# Altium PCB radxa_cm3s_io_board_V1510.PcbDoc (part 4 of 4)
Units mil, origin at the board's own origin, x right, y up, seen from the top; angles counter-clockwise.
Board outline 6299.61 x 3544.09 mil, 4 copper layers (Top, GND, Power, Bottom), stack 35.4 mil thick; 371 components, 243 nets, 1310 pads, 2024 vias.
Unrouted connection lines stored in the file: 1349.
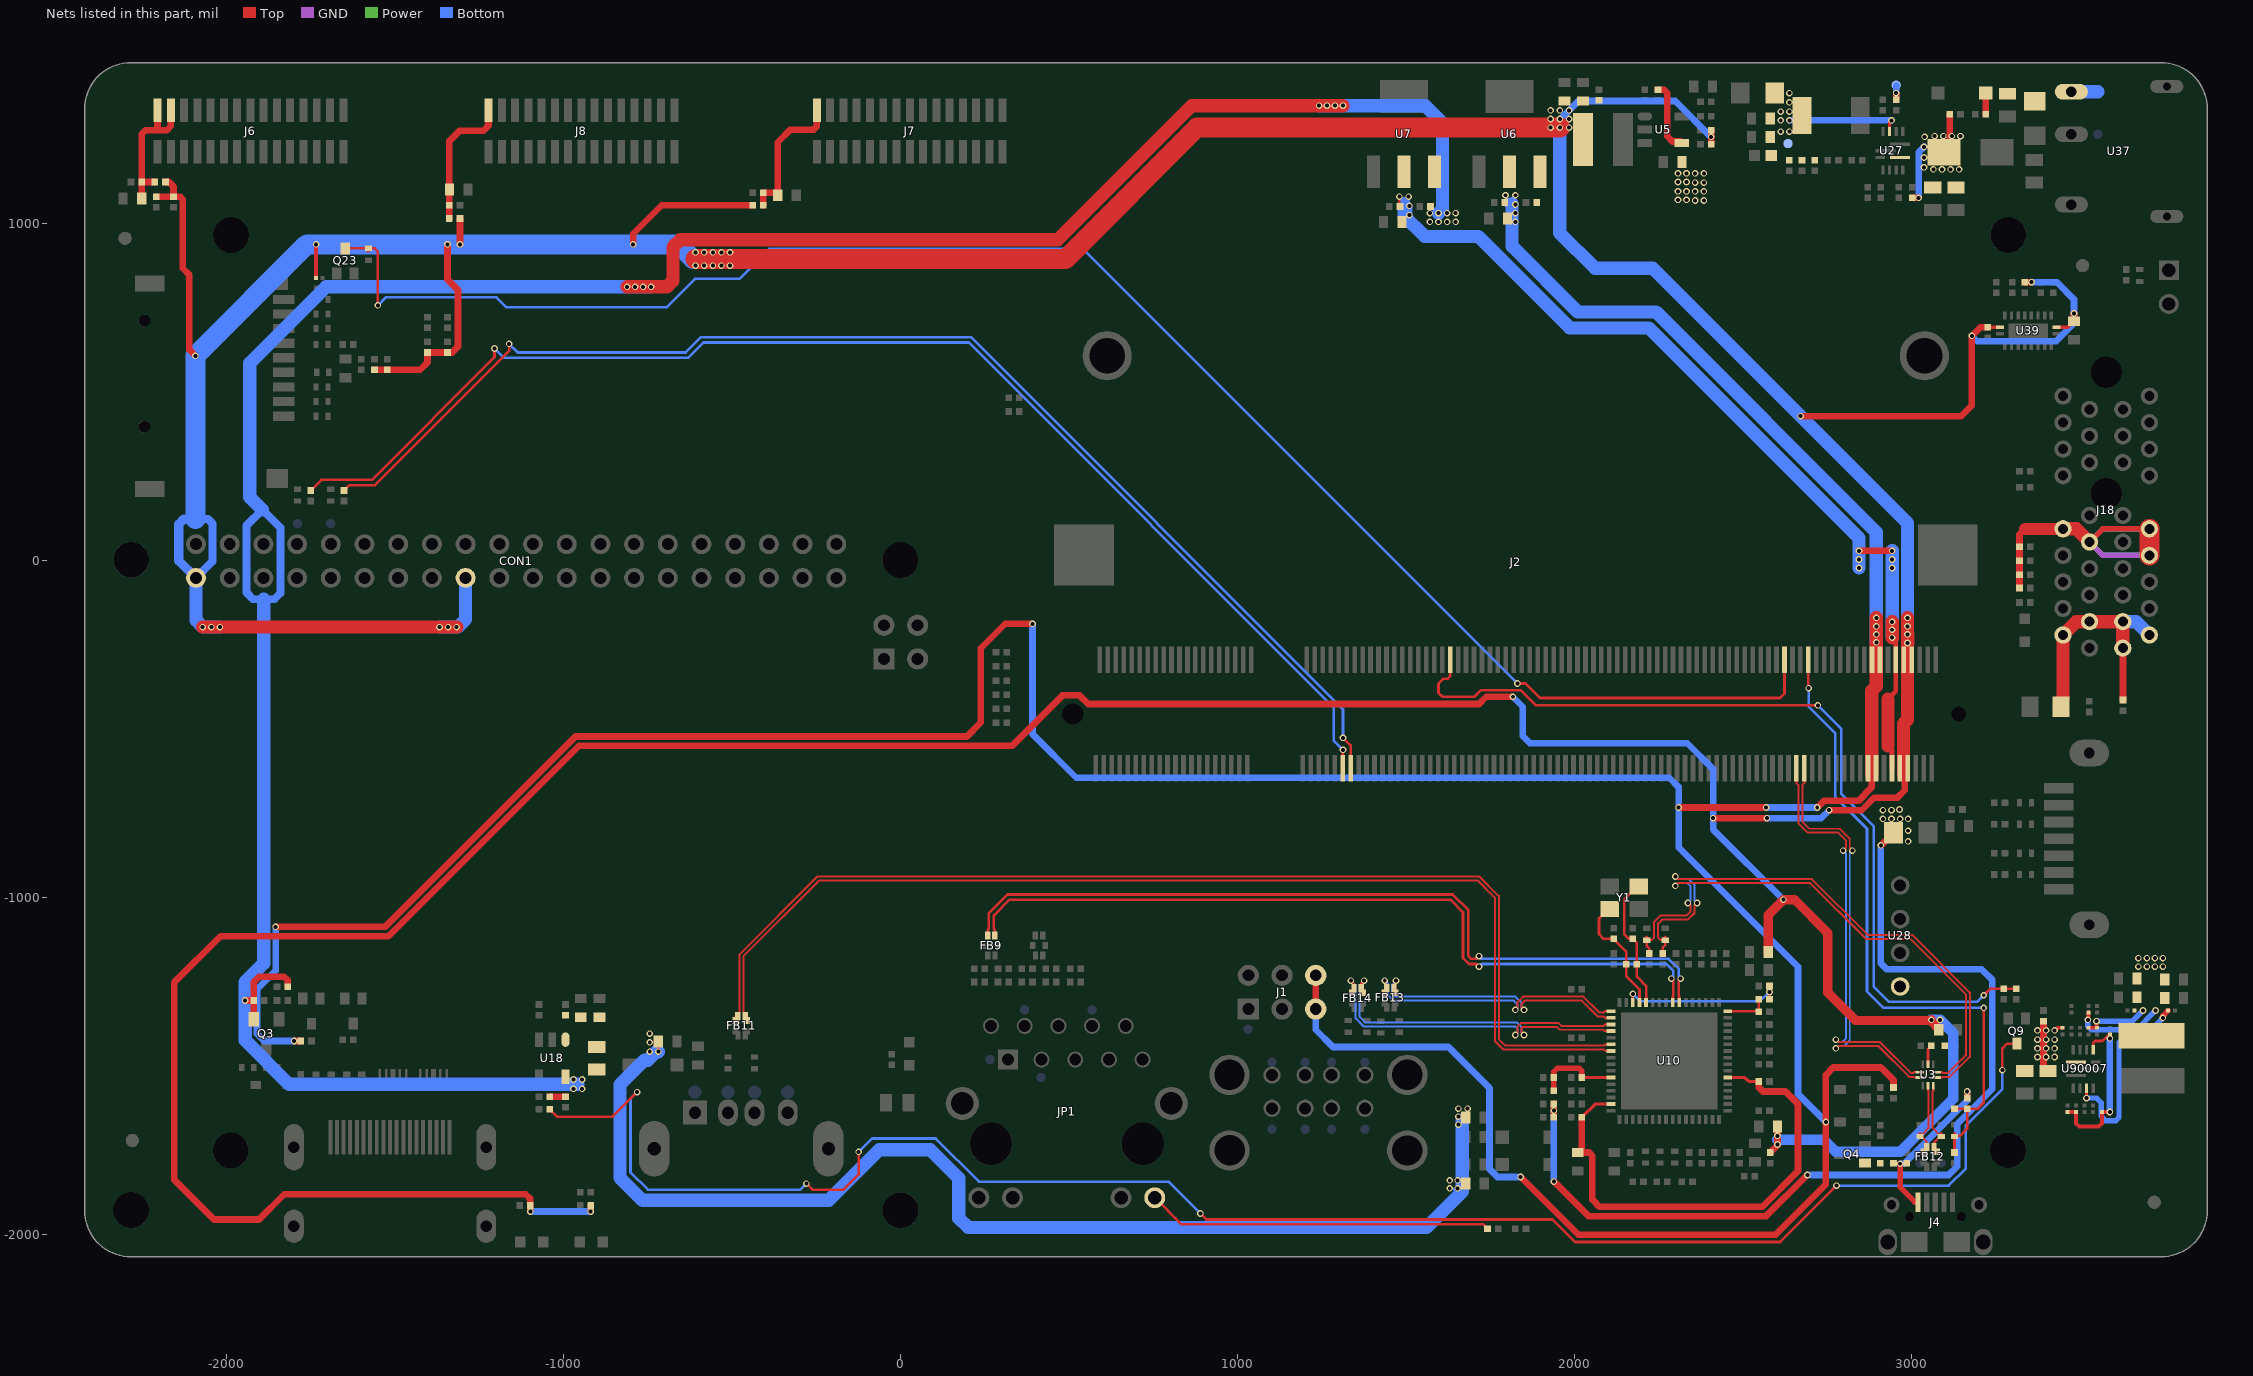
[diagram p6: the nets of this part, all layers, seen from the top]

## Via types
v1: diameter 19.68, hole 11.81, Top to Bottom, 2024 vias

## Nets (pads, with @x,y where several pads share a name; then routed paths per layer and width w, separated by ;. In a path a pad name is that pad's centre, name@x,y a point inside that pad or via, vN(x,y) a via of type N, cw(c..) or ccw(c..) an arc to the next point about the centre after c; other vN are vias at no path point) (continued)
SYS_5V: C22.1 C31.1 C68.1 C91.1 C135.1 C136.1 C137.1 C138.1 C139.1 ED12.1 FB8.2 L12.2 Q3.2 R12.1 R15.1 R16.2 R35.1 R113.1 R148.2 R159.1 TP13.1 U5.4 U7.3 U18.5 U27.5 | length 11609.2
  Top w9.84: U27.5@2935.04,1271.66 2935.04,1299.22 v1(2940.94,1305.12)
  Top w19.68: v1(-1944.88,-1307.09) R15.1@-1919.29,-1307.09 ; Q3.2@-1919.29,-1362.2 R15.1@-1919.29,-1307.09 ; R16.2@-1818.9,-1265.75 -1818.9,-1246.06 -1828.74,-1236.22 -1903.54,-1236.22 -1919.29,-1251.97 R15.1@-1919.29,-1307.09 ; R113.1@-1041.34,-1592.52 C91.1@-994.09,-1592.52 ; v1(1938.98,-1844.49) 2041.34,-1946.85 2568.9,-1946.85 v1(2690.94,-1824.8) ; C68.1@1938.98,-1653.54 v1(1938.98,-1633.86) FB8.2@1938.98,-1614.17 ; R35.1@2248.03,1395.67 2265.75,1395.67 2275.59,1385.83 2275.59,1257.87 2291.34,1242.13 2314.96,1242.13 U5.4@2318.9,1238.19 ; v1(2909.45,-846.46) R12.1@2946.85,-809.06
  Top w39.37: v1(-811.02,811.02) -692.91,811.02 -675.2,828.74 -675.2,929.13 -653.54,950.79 466.54,950.79 864.17,1348.43 v1(1242.13,1348.43) v1(1265.75,1348.43) v1(1289.37,1348.43) v1(1312.99,1348.43)
  Bottom w7.87: -956.69,-1555.12 v1(-944.88,-1568.9)
  Bottom w19.68: v1(1938.98,-1844.49) v1(1938.98,-1633.86) ; v1(2637.8,1305.12) v1(2940.94,1305.12) ; v1(2690.94,-1824.8) 3110.24,-1824.8 3135.83,-1799.21 3135.83,-1673.23 3240.16,-1568.9 3240.16,-1246.06 3208.66,-1214.57 2927.17,-1214.57 2909.45,-1196.85 v1(2909.45,-846.46)
  Bottom w23.62: -1940.94,-96.46 -1921.26,-116.14 -1889.76,-116.14 -1858.27,-116.14 -1840.55,-98.43 -1840.55,96.46 -1893.7,149.61 -1940.94,102.36 -1940.94,-96.46
  Bottom w39.37: -1893.7,149.61 -1931.1,187.01 -1931.1,584.65 -1704.72,811.02 v1(-811.02,811.02) v1(-787.4,811.02) v1(-763.78,811.02) v1(-740.16,811.02) ; -1889.76,-116.14 -1889.76,-1196.85 -1944.88,-1251.97 v1(-1944.88,-1307.09) -1944.88,-1425.2 -1814.96,-1555.12 -956.69,-1555.12 ; v1(1242.13,1348.43) v1(1265.75,1348.43) v1(1289.37,1348.43) v1(1312.99,1348.43) 1557.09,1348.43 1608.27,1297.24 1608.27,1041.34 v1(1596.46,1029.53)
  other v1: -970.47,-1568.9 -970.47,-1541.34 -944.88,-1541.34 2990.16,-834.65 2990.16,-803.15 2915.35,-767.72 2940.94,-767.72 2966.54,-767.72 2990.16,-767.72 2915.35,-742.13 2940.94,-742.13 2964.57,-740.16 1570.87,1003.94 1596.46,1003.94 1622.05,1003.94 1647.64,1003.94 1570.87,1029.53 1622.05,1029.53 1647.64,1029.53 2358.27,1066.93 2383.86,1066.93 2307.09,1068.9 2332.68,1068.9 2307.09,1094.49 2332.68,1094.49 2358.27,1094.49 2383.86,1094.49 2358.27,1120.08 2383.86,1120.08 2307.09,1122.05 2332.68,1122.05 2307.09,1147.64 2332.68,1147.64 2358.27,1147.64 2383.86,1147.64 2612.2,1271.65 2637.8,1271.65 2612.2,1305.12 2612.2,1330.71 2637.8,1330.71 2637.8,1358.27 2637.8,1385.83
TF_DET_H: D52.2 J2.162 Q23.3 | length 5186.3
  Top w7.87: Q23.3@-1647.64,925.2 D52.2@-1578.74,925.2 -1561.02,925.2 -1551.18,915.35 v1(-1551.18,755.91) ; v1(1830.71,-366.14) 1854.33,-366.14 1897.64,-409.45 2609.45,-409.45 2623.23,-395.67 J2.162@2623.23,-295.28
  Bottom w7.87: v1(-1551.18,755.91) -1527.56,779.53 -1198.82,779.53 -1169.29,750 -694.88,750 -610.24,834.65 -478.35,834.65 -389.76,923.23 541.34,923.23 v1(1830.71,-366.14)
TXN: FB9.4 U10.56 | length 2369.4
  Top w7.87: FB9.4@280.12,-1114.57 280.12,-1097.44 277.17,-1094.49 277.17,-1054.84 324.13,-1007.87 1631.89,-1007.87 1669.29,-1045.28 1669.29,-1181.1 1687.01,-1198.82 1708.66,-1198.82 v1(1716.54,-1206.69) ; v1(2287.4,-1242.13) 2293.31,-1248.03 2293.31,-1293.3 2291.34,-1295.28 U10.56@2291.34,-1312.7
  Bottom w7.87: v1(1716.54,-1206.69) 1724.41,-1198.82 2273,-1198.82 2293.31,-1219.12 2293.31,-1236.22 v1(2287.4,-1242.13)
TXP: FB9.1 U10.55 | length 2421.6
  Top w7.87: FB9.1@258.46,-1114.57 258.46,-1097.44 261.42,-1094.49 261.42,-1048.31 317.6,-992.13 1638.41,-992.13 1685.04,-1038.75 1685.04,-1174.58 1693.53,-1183.07 1708.66,-1183.07 v1(1716.54,-1175.2) ; U10.55@2311.03,-1312.7 2311.03,-1295.28 2309.06,-1293.3 2309.06,-1248.03 v1(2314.96,-1242.13)
  Bottom w7.87: v1(1716.54,-1175.2) 1724.41,-1183.07 2279.53,-1183.07 2309.06,-1212.6 2309.06,-1236.22 v1(2314.96,-1242.13)
UART2_RX: J2.53 R42.2 | length 3828.9
  Top w7.87: R42.2@-1651.57,206.69 -1635.83,222.44 -1559.06,222.44 -1161.42,620.08 v1(-1161.42,641.73) ; v1(1312.99,-527.56) 1335.83,-550.39 1335.83,-553.15 J2.53@1335.83,-618.11
  Bottom w7.87: v1(-1161.42,641.73) -1135.83,616.14 -637.8,616.14 -592.52,661.42 208.66,661.42 1312.99,-442.91 v1(1312.99,-527.56)
UART2_TX: J2.51 R41.2 | length 3896.4
  Top w7.87: R41.2@-1750,206.69 -1718.5,238.19 -1568.9,238.19 -1204.72,602.36 v1(-1204.72,627.95) ; J2.51@1312.2,-618.11 1312.2,-563.78 v1(1312.99,-562.99)
  Bottom w7.87: v1(-1204.72,627.95) -1177.17,600.39 -629.92,600.39 -584.65,645.67 202.76,645.67 1285.43,-437.01 1285.43,-535.43 v1(1312.99,-562.99)
USB2.0_HUB_PWR: J2.78 R107.2 R108.1 | length 2639.6
  Top w7.87: J2.78@1631.1,-295.28 1631.1,-344.49 1623.23,-352.36 1610.24,-352.36 1596.46,-366.14 1596.46,-393.7 1608.27,-405.51 1702.76,-405.51 1722.44,-385.83 1840.55,-385.83 1885.83,-431.1 v1(2722.44,-431.1) ; v1(3214.57,-1291.34) 3234.25,-1271.65 R108.1@3273.62,-1271.65 R107.2@3311.02,-1271.65
  Bottom w7.87: v1(2722.44,-431.1) 2791.34,-500 2791.34,-692.91 2887.8,-789.37 2887.8,-1265.75 2933.07,-1311.02 3194.88,-1311.02 v1(3214.57,-1291.34)
USB_HOST2_DM: FB13.3 R66.2 U10.1 | length 833.1
  Top w5.91: v1(1824.8,-1334.65) 1831.69,-1327.76 1831.69,-1311.02 1847.44,-1295.28 2026.55,-1295.28 2073.79,-1342.52 2086.61,-1342.52 2090.55,-1338.58 U10.1@2107.98,-1338.58
  Top w7.87: R66.2@1437.01,-1283.46 1437.01,-1275.59 FB13.3@1442.91,-1269.68 1442.91,-1266.74 1439.96,-1263.78 1439.96,-1250.98 v1(1437.01,-1248.03)
  Bottom w5.91: v1(1437.01,-1248.03) 1446.85,-1257.87 1446.85,-1291.34 1462.6,-1307.09 1819.91,-1307.09 1831.69,-1318.87 1831.69,-1327.76 v1(1824.8,-1334.65)
USB_HOST2_DP: FB13.2 R71.2 U10.2 | length 814.4
  Top w5.91: v1(1850.39,-1334.65) 1843.5,-1327.76 1843.5,-1315.92 1852.33,-1307.09 2021.65,-1307.09 2068.9,-1354.33 2086.61,-1354.33 2090.55,-1358.27 U10.2@2107.98,-1358.27
  Top w7.87: R71.2@1468.5,-1283.46 1468.5,-1274.58 1463.83,-1269.91 1464.34,-1269.91 FB13.2@1464.57,-1269.68 1467.52,-1266.73 1467.52,-1250.98 v1(1470.47,-1248.03)
  Bottom w5.91: v1(1470.47,-1248.03) 1458.66,-1259.84 1458.66,-1286.45 1467.49,-1295.28 1824.8,-1295.28 1843.5,-1313.98 1843.5,-1327.76 v1(1850.39,-1334.65)
USB_HOST3_DM: FB14.1 R67.2 U10.3 | length 1003
  Top w5.91: v1(1336.61,-1248.03) 1345.47,-1256.89 FB14.1@1345.47,-1272.63 ; v1(1824.8,-1409.45) 1831.69,-1402.56 1831.69,-1383.86 1841.54,-1374.02 1953.23,-1374.02 1961.11,-1381.89 2086.61,-1381.89 2090.55,-1377.95 U10.3@2107.98,-1377.95
  Top w7.87: FB14.1@1345.47,-1272.63 1340.55,-1277.55 R67.2@1340.55,-1283.46 1340.55,-1275.98 FB14.1@1346.06,-1270.47
  Bottom w5.91: v1(1336.61,-1248.03) 1350.39,-1261.81 1350.39,-1360.24 1374.02,-1383.86 1823.85,-1383.86 1831.69,-1391.7 1831.69,-1402.56 v1(1824.8,-1409.45)
USB_HOST3_DP: FB14.4 R68.2 U10.4 | length 979
  Top w5.91: FB14.4@1367.13,-1270.81 FB14.4@1367.13,-1259.84 ; v1(1850.39,-1409.45) 1843.5,-1402.56 1843.5,-1388.75 1846.43,-1385.83 1948.34,-1385.83 1956.22,-1393.7 2086.61,-1393.7 2090.55,-1397.64 U10.4@2107.98,-1397.64
  Top w7.87: FB14.4@1367.13,-1270.81 1372.05,-1275.72 R68.2@1372.05,-1283.46 ; FB14.4@1367.72,-1270.47 1367.72,-1260.43 1367.13,-1259.84 1367.13,-1256.89 v1(1375.98,-1248.03)
  Bottom w5.91: v1(1375.98,-1248.03) 1362.2,-1261.81 1362.2,-1309.53 1362.2,-1355.34 1378.91,-1372.05 1828.74,-1372.05 1843.5,-1386.81 1843.5,-1402.56 v1(1850.39,-1409.45)
USB_HOST4_DM: FB11.1 R160.1 U10.6 | length 3343.6
  Top w5.91: FB11.1@-482.28,-1352.36 -482.28,-1346.46 -478.35,-1342.52 -478.35,-1170.78 -246.54,-938.98 1717.49,-938.98 1775.59,-997.08 1775.59,-1422.27 1794.26,-1440.95 2088,-1440.95 2091.93,-1437.01 U10.6@2107.98,-1437.01
  Top w7.87: R160.1@-488.19,-1366.14 -488.19,-1353.15 FB11.1@-482.68,-1353.15 -482.68,-1352.76 FB11.1@-482.28,-1352.36
USB_HOST4_DP: FB11.4 R161.1 U10.7 | length 3322.1
  Top w5.91: FB11.4@-461.42,-1352.76 -462.6,-1351.57 -462.6,-1350.39 -462.6,-1347.95 -460.63,-1345.98 -466.06,-1340.55 -466.06,-1314.96 -466.06,-1175.2 -241.65,-950.79 1712.6,-950.79 1763.78,-1001.97 1763.78,-1427.17 1789.37,-1452.76 2088,-1452.76 2091.93,-1456.69 U10.7@2107.98,-1456.69
  Top w7.87: FB11.4@-461.42,-1352.76 FB11.4@-461.02,-1353.15 -456.69,-1357.48 R161.1@-456.69,-1366.14
USB_HSD1_DM: D3.2 FB12.3 R18.2 U3.4 | length 222.8
  Top w5.91: D3.2@3025.59,-1710.63 D3.2@3031.5,-1704.72 ; FB12.3@3045.28,-1742.13 3045.28,-1726.38 3031.5,-1712.6 D3.2@3031.5,-1704.72 ; U3.4@3049.21,-1559.36 3049.21,-1574.8 3051.18,-1576.77 3051.18,-1685.04 D3.2@3031.5,-1704.72
  Top w7.87: R18.2@3037.4,-1755.91 3037.4,-1750 FB12.3@3045.28,-1742.13
USB_HSD1_DP: D2.2 FB12.2 R19.2 U3.5 | length 223.7
  Top w5.91: U3.5@3065.01,-1559.36 U3.5@3065.01,-1559.36 3064.96,-1574.8 3062.99,-1576.77 3062.99,-1685.04 D2.2@3082.68,-1704.72 ; FB12.2@3066.93,-1742.13 3066.93,-1728.35 3082.68,-1712.6 D2.2@3082.68,-1704.72 ; D2.2@3088.58,-1710.63 D2.2@3082.68,-1704.72
  Top w7.87: FB12.2@3066.93,-1742.13 3074.8,-1750 R19.2@3074.8,-1755.91
USB_HSD2_DM: ED19.1 R63.1 U3.6 | length 1719.8
  Top w5.91: ED19.1@2269.69,-1127.95 2255.91,-1127.95 2248.03,-1120.08 2248.03,-1078.74 2259.84,-1066.93 2336.61,-1066.93 2356.3,-1047.24 2356.3,-1025.59 v1(2364.17,-1017.72) ; v1(2299.21,-938.98) 2307.09,-946.85 2704.72,-946.85 2870.08,-1112.2 3001.97,-1112.2 3173.23,-1283.46 3173.23,-1474.41 3114.17,-1533.46 3092.55,-1533.46 3090.55,-1535.46 U3.6@3074.01,-1535.46
  Top w7.87: R63.1@2261.81,-1167.32 2261.81,-1149.61 2269.69,-1141.73 ED19.1@2269.69,-1127.95
  Bottom w5.91: v1(2299.21,-938.98) 2307.09,-946.85 2339.54,-946.85 2356.3,-963.61 2356.3,-1009.84 v1(2364.17,-1017.72)
USB_HSD2_DP: ED20.1 R61.1 U3.7 | length 1661.1
  Top w5.91: ED20.1@2214.57,-1127.95 2228.35,-1127.95 2236.22,-1120.08 2236.22,-1073.85 2254.95,-1055.12 2331.72,-1055.12 2344.49,-1042.35 2344.49,-1025.59 v1(2336.61,-1017.72) ; v1(2299.21,-966.54) 2307.09,-958.66 2699.83,-958.66 2865.19,-1124.02 2997.08,-1124.02 3161.42,-1288.36 3161.42,-1469.52 3109.28,-1521.65 3092.55,-1521.65 3090.55,-1519.66 U3.7@3074.01,-1519.66
  Top w7.87: ED20.1@2214.57,-1127.95 2214.57,-1145.67 2222.44,-1153.54 R61.1@2222.44,-1167.32
  Bottom w5.91: v1(2299.21,-966.54) 2307.09,-958.66 2334.65,-958.66 2344.49,-968.5 2344.49,-1009.84 v1(2336.61,-1017.72)
USB_OTG0_DM: J2.167 U3.2 | length 1268.8
  Top w5.91: J2.167@2682.28,-618.11 2682.28,-661.42 2676.38,-667.32 2676.38,-776.6 2697.02,-797.24 2787.4,-797.24 2816.93,-826.77 2816.93,-854.33 v1(2824.8,-862.2) ; v1(2775.59,-1448.82) 2782.48,-1441.93 2901.6,-1441.93 2993.14,-1533.46 3005.88,-1533.46 3007.87,-1535.46 U3.2@3024.41,-1535.46
  Bottom w5.91: v1(2775.59,-1448.82) 2782.48,-1441.93 2800.2,-1441.93 2816.93,-1425.2 2816.93,-870.08 v1(2824.8,-862.2)
USB_OTG0_DP: J2.165 U3.1 | length 1249.2
  Top w5.91: J2.165@2658.66,-618.11 2658.66,-661.42 2664.57,-667.32 2664.57,-781.5 2692.13,-809.06 2782.51,-809.06 2805.12,-831.66 2805.12,-854.33 v1(2797.24,-862.2) ; v1(2775.59,-1423.23) 2782.48,-1430.12 2906.5,-1430.12 2998.03,-1521.65 3005.88,-1521.65 3007.87,-1519.66 U3.1@3024.41,-1519.66
  Bottom w5.91: v1(2775.59,-1423.23) 2782.48,-1430.12 2795.3,-1430.12 2805.12,-1420.3 2805.12,-870.08 v1(2797.24,-862.2)
USB_OTG0_ID: D54.2 J2.168 R20.2 R22.1 R24.1 | length 1953.3
  Top w7.87: J2.168@2694.09,-295.28 2694.09,-379.13 v1(2694.88,-379.92) ; R20.2@3127.95,-1757.87 D54.2@3127.95,-1710.63 3127.95,-1708.66 3143.7,-1708.66 3165.35,-1687.01 R22.1@3165.35,-1627.95 ; R24.1@3127.95,-1627.95 R22.1@3165.35,-1627.95 ; v1(3214.57,-1328.74) 3214.57,-1610.24 3196.85,-1627.95 R22.1@3165.35,-1627.95
  Bottom w7.87: v1(2694.88,-379.92) 2694.88,-435.04 2773.62,-513.78 2773.62,-702.76 2868.11,-797.24 2868.11,-1279.53 2917.32,-1328.74 v1(3214.57,-1328.74)
USB_PWR_EN: Q9.3 R114.2 | length 5313.7
  Top w7.87: R114.2@-1041.34,-1629.92 -1019.68,-1651.57 -854.33,-1651.57 v1(-781.5,-1578.74) ; v1(-279.53,-1850.39) -261.81,-1868.11 -169.29,-1868.11 -124.02,-1822.83 v1(-124.02,-1755.91) ; v1(889.76,-1938.98) 907.48,-1956.69 1935.04,-1956.69 2001.97,-2023.62 2610.24,-2023.62 v1(2777.56,-1856.3) ; v1(3269.69,-1513.78) 3269.69,-1448.82 3283.47,-1435.04 Q9.3@3312.99,-1435.04
  Bottom w7.87: v1(-781.5,-1578.74) -801.18,-1598.43 -801.18,-1816.93 -750,-1868.11 -297.24,-1868.11 v1(-279.53,-1850.39) ; v1(-124.02,-1755.91) -84.65,-1716.54 104.33,-1716.54 232.28,-1844.49 795.28,-1844.49 v1(889.76,-1938.98) ; v1(2777.56,-1856.3) 3110.24,-1856.3 3161.42,-1805.12 3161.42,-1677.17 3269.69,-1568.9 v1(3269.69,-1513.78)
VBUS: C10.1 J4.1 Q4.1 R22.2 R23.1 R45.2 | length 465.5
  Top w15.75: v1(2966.54,-1791.34) 2966.54,-1860.24 3009.5,-1903.2 3009.5,-1905.17 3009.84,-1905.51 J4.1@3019.69,-1905.51
  Top w19.68: R22.2@3165.35,-1596.46 v1(3165.35,-1576.77)
  Bottom w19.68: v1(2966.54,-1791.34) 2978.35,-1791.34 3165.35,-1604.33 v1(3165.35,-1576.77)
VBUS_DET: C72.1 R73.2 R75.1 U10.11 | length 253.1
  Top w9.84: C72.1@2021.65,-1535.43 U10.11@2107.98,-1535.43
  Top w15.75: R73.2@1938.98,-1574.8 R75.1@1938.98,-1535.43 1938.98,-1517.72 1948.82,-1507.87 2013.78,-1507.87 2021.65,-1515.75 C72.1@2021.65,-1535.43
VCC: C90354.1 R90625.1 R90627.1 R90628.1 U90007.9 | length 510.9
  Top w7.87: U90007.9@3539.37,-1452.75 3539.37,-1433.07 3545.28,-1427.17 3566.93,-1427.17 3586.61,-1407.48 C90354.1@3588.58,-1407.48
  Top w11.81: R90625.1@3462.6,-1637.8 R90628.1@3488.19,-1637.8 3488.19,-1671.26 3498.03,-1681.1 3555.12,-1681.1 3564.96,-1671.26 R90627.1@3564.96,-1637.8 v1(3588.58,-1637.8) ; v1(3588.58,-1419.29) C90354.1@3588.58,-1407.48
  Bottom w19.68: v1(3588.58,-1637.8) v1(3588.58,-1419.29)
VCC3V3_PCIE: C90347.1 C90350.1 C90351.1 C90352.1 C90353.1 C90358.1 C90359.1 C90360.1 J18.A9 J18.A10 J18.B8 J18.B10 L8705.2 R168.2 R169.2 R170.2 R171.1 R90621.2 U90007.5 | length 2884.8
  Top w9.84: v1(3519.69,-1596.46) U90007.5@3519.68,-1566.93
  Top w11.81: v1(3523.62,-1364.17) 3525.59,-1364.17 C90347.1@3525.59,-1342.52 ; R90621.2@3525.59,-1387.8 C90350.1@3551.18,-1387.8 3549.21,-1387.8 v1(3549.21,-1368.11)
  Top w15.75: J18.A9@3528.74,53.54 3568.11,92.91 J18.B10@3705.91,92.91 ; v1(3746.06,-1358.27) 3746.06,-1352.36 C90359.1@3761.81,-1336.61
  Top w19.68: R168.2@3320.87,-82.68 R169.2@3320.87,-43.31 R170.2@3320.87,-1.97 R171.1@3320.87,39.37 3320.87,76.77 3336.61,92.52
  Top w35.43: 3336.61,92.52 3337.01,92.91 J18.A10@3450,92.91
  Top w39.37: J18.A10@3450,92.91 3489.37,92.91 J18.A9@3528.74,53.54
  Top w59.06: J18.B8@3705.91,14.17 J18.B10@3705.91,92.91
  GND w15.75: J18.B8@3705.91,14.17 3568.11,14.17 J18.A9@3528.74,53.54 3568.11,92.91 J18.B10@3705.91,92.91
  Power w15.75: J18.B8@3705.91,14.17 3568.11,14.17 J18.A9@3528.74,53.54 3568.11,92.91 J18.B10@3705.91,92.91
  Bottom w15.75: v1(3519.69,-1596.46) 3549.21,-1596.46 3562.99,-1610.24 3562.99,-1649.61 3576.77,-1663.39 3606.3,-1663.39 3616.14,-1653.54 3616.14,-1431.1 3629.92,-1417.32 3687.01,-1417.32 v1(3746.06,-1358.27) ; v1(3523.62,-1364.17) 3523.62,-1383.86 3533.46,-1393.7 3667.32,-1393.7 v1(3724.41,-1336.61) ; v1(3549.21,-1368.11) 3655.51,-1368.11 v1(3687.01,-1336.61) ; J18.B8@3705.91,14.17 3568.11,14.17 J18.A9@3528.74,53.54 3568.11,92.91 J18.B10@3705.91,92.91
  other v1: 3673.23,-1206.69 3698.82,-1206.69 3722.44,-1206.69 3746.06,-1206.69 3673.23,-1181.1 3698.82,-1181.1 3722.44,-1181.1 3746.06,-1181.1
VCC5V0_USB1: C92.1 C93.1 C94.1 R64.1 R65.1 R159.2 R162.2 U18.1 | length 3540.5
  Top w7.87: v1(-718.5,-1458.66) R162.2@-718.5,-1427.94
  Bottom w7.87: v1(1629.92,-1864.17) 1667.32,-1874.02 ; v1(1653.54,-1864.17) 1667.32,-1864.17 ; v1(1655.51,-1651.57) 1657.48,-1651.57 1667.32,-1661.42
  Bottom w39.37: v1(-718.5,-1458.66) -724.41,-1458.66 -750,-1484.25 -759.84,-1484.25 -832.68,-1557.09 -832.68,-1832.68 -765.75,-1899.61 -212.6,-1899.61 -62.99,-1750 88.58,-1750 173.23,-1834.65 173.23,-1952.76 200.79,-1980.31 1561.02,-1980.31 1667.32,-1874.02 1667.32,-1864.17 1667.32,-1661.42
  other v1: 1629.92,-1840.55 1653.54,-1840.55 1655.51,-1675.2 1655.51,-1627.95 1683.07,-1627.95 -744.09,-1458.66 -744.09,-1431.1 -744.09,-1405.51
VCC12V: C132.1 C133.1 C134.1 C161.1 C162.1 C90355.1 C90356.1 C90357.1 D46.2 J18.A2 J18.A3 J18.B1 J18.B2 J18.B3 R149.2 R90618.2 U27.1 U28.1 U90007.1 | length 1217
  Top w11.81: v1(3425.2,-1395.67) 3433.07,-1387.8 R90618.2@3448.82,-1387.8
  Top w19.68: R149.2@3001.97,1074.8 v1(3021.65,1074.8) ; D46.2@3096.46,1210.63 3096.46,1224.41 3114.17,1242.13 C133.1@3114.17,1322.83 ; C90357.1@3391.73,-1368.11 3391.73,-1505.91 3395.67,-1505.91 C90356.1@3405.51,-1515.75 ; J18.B1@3627.17,-261.42 3627.95,-262.2 C162.1@3627.95,-415.35
  Top w39.37: C161.1@3443.64,-435.04 3443.64,-415.81 3450,-409.45 J18.A2@3450,-222.05 3489.37,-182.68 J18.A3@3528.74,-182.68 J18.B3@3627.17,-182.68 J18.B1@3627.17,-261.42
  Bottom w19.68: v1(3021.65,1074.8) 3021.65,1210.63 v1(3037.4,1226.38)
  Bottom w39.37: J18.B3@3627.17,-182.68 3666.54,-182.68 J18.B2@3705.91,-222.05
  other v1: 3374.02,-1474.41 3399.61,-1474.41 3425.2,-1474.41 3374.02,-1448.82 3399.61,-1448.82 3425.2,-1448.82 3374.02,-1423.23 3399.61,-1423.23 3425.2,-1423.23 3374.02,-1395.67 3399.61,-1395.67 3064.96,1159.45 3090.55,1159.45 3116.14,1159.45 3141.73,1159.45 3037.4,1165.35 3037.4,1194.88 3039.37,1255.91 3068.9,1257.87 3094.49,1257.87 3120.08,1257.87 3145.67,1257.87
VCC12V_DCIN: C145.1 C146.1 D47.2 P5.1 R90630.2 U37.1 | length 141.7
  Top w19.68: C145.1@3220.47,1322.83 D47.2@3220.48,1385.83
  Bottom w39.37: U37.1@3474.41,1389.76 P5.1@3553.15,1389.76
VCC_1V8: C29.1 C30.1 J1.5 J1.6 J2.183 J2.184 J2.185 J2.186 P14.1 R13.2 R47.2 U6.2 | length 12598.1
  Top w7.87: J2.183@2871.26,-618.11 2881.89,-618.11 ; J2.185@2894.88,-618.11 J2.185@2895.67,-618.9 ; v1@2895.67,-198.82 v1(2895.67,-196.85)
  Top w13.78: 2881.89,-637.8 2894.88,-637.8 J2.185@2894.88,-618.11 ; J2.184@2883.07,-295.28 2883.07,-348.43 2895.67,-348.43 2906.69,-348.43 J2.186@2906.69,-295.28
  Top w19.68: v1(-1854.33,-1088.58) -1529.53,-1088.58 -964.57,-523.62 196.85,-523.62 238.19,-482.28 238.19,-261.81 311.02,-188.98 v1(391.73,-188.98) ; v1(-1799.21,-1427.17) R13.2@-1779.53,-1427.17 ; J1.5@1232.28,-1332.28 J1.6@1232.28,-1232.28 ; v1(1840.55,-1830.71) 2011.81,-2001.97 2596.46,-2001.97 2746.06,-1852.36 v1(2746.06,-1667.32) 2746.06,-1527.56 2767.72,-1505.91 2909.45,-1505.91 2946.85,-1543.31 R47.2@2946.85,-1564.96 ; v1(2309.06,-734.25) v1(2568.9,-734.25) ; v1(2720.47,-734.25) 2740.16,-714.57 2842.52,-714.57 2881.89,-675.2 2881.89,-637.8
  Top w39.37: 2881.89,-637.8 2881.89,-618.11 2881.89,-387.8 2895.67,-374.02 2895.67,-348.43 v1(2895.67,-244.09) v1(2895.67,-220.47) v1@2895.67,-198.82 ; v1(2895.67,-196.85) v1(2895.67,-171.26)
  Bottom w7.87: P14.1@1801.18,1061.02 1814.96,1047.24 1814.96,1045.28
  Bottom w19.68: v1(-1854.33,-1088.58) -1854.33,-1218.5 -1909.45,-1273.62 -1909.45,-1405.51 -1887.8,-1427.17 v1(-1799.21,-1427.17) ; v1(391.73,-188.98) 391.73,-515.75 521.65,-645.67 2281.5,-645.67 2309.06,-673.23 v1(2309.06,-734.25) 2309.06,-852.36 2663.39,-1206.69 2663.39,-1584.65 v1(2746.06,-1667.32) ; J1.5@1232.28,-1332.28 1232.28,-1393.7 1283.46,-1444.88 1625.98,-1444.88 1748.03,-1566.93 1748.03,-1807.09 1771.65,-1830.71 v1(1840.55,-1830.71) ; v1(2568.9,-734.25) v1(2720.47,-734.25)
  Bottom w39.37: 1814.96,1045.28 1814.96,931.1 2009.84,736.22 2242.13,736.22 2895.67,82.68 v1(2895.67,-244.09) ; 1814.96,1047.24 1814.96,1057.09
  other v1: 1824.8,1003.94 1824.8,1029.53 1824.8,1055.12 1795.28,1082.68 1824.8,1082.68
VCC_2V5: C32.1 C33.1 J2.189 J2.190 P15.1 U7.2 | length 2769.3
  Top w7.87: v1(1480.32,1078.74) 1480.32,1049.21 C32.1@1482.28,1049.21
  Top w13.78: 2930.31,-551.18 2942.13,-562.99 J2.189@2942.13,-618.11 ; 2930.31,-412.2 2953.94,-388.58 J2.190@2953.94,-295.28 2953.94,-241.34 v1(2942.91,-230.31)
  Top w19.68: v1(2844.49,27.56) v1(2942.91,27.56)
  Top w39.37: 2930.31,-551.18 2930.31,-412.2 ; v1(2942.91,-230.31) v1(2942.91,-183.07)
  Bottom w7.87: P15.1@1494.09,1057.09 1509.84,1072.83 1509.84,1076.77 v1(1507.87,1078.74) ; v1(2942.91,-230.31) v1@2942.91,-228.35
  Bottom w19.68: v1(1509.84,1023.62) v1(1509.84,1051.18)
  Bottom w39.37: P15.1@1494.09,1057.09 1494.09,1021.65 1555.12,960.63 1714.57,960.63 1986.22,688.98 2220.47,688.98 2844.49,64.96 v1(2844.49,-23.62) ; v1@2942.91,-228.35 v1(2942.91,-23.62) v1(2942.91,1.97) v1(2942.91,27.56)
  other v1: 2942.91,-206.69 2844.49,1.97
VCC_3V3: C8.1 C9.1 C13.1 C23.1 C24.1 C25.1 C26.1 C28.1 C163.1 C164.1 CON1.1 CON1.17 FB1.1 FB2.1 FB3.1 FB4.1 FB5.1 FB7.1 J2.191 J2.192 J2.193 J2.194 L1.2 P13.1 R21.2 R26.1 R34.1 R37.2 R38.2 R39.2 R40.2 R43.1 R46.1 R173.1 R90396.2 U3.9 U6.3 U39.9 U39.20 | length 23437.4
  Top w7.87: v1(-608.27,874.02) -608.27,893.7 ; v1(-608.27,913.39) -588.58,893.7 ; v1(-582.68,874.02) -582.68,893.7 ; J2.191@2965.75,-618.11 2980.32,-618.11 2976.38,-622.05 ; U3.9@3049.21,-1495.76 3049.21,-1450.79 R21.2@3059.06,-1440.94
  Top w9.84: C164.1@3226.38,690.94 U39.9@3262.6,690.94 ; U39.20@3430.31,690.94 3464.57,690.94 C163.1@3482.28,708.66
  Top w11.81: R90396.2@-1734.25,836.61 v1(-1734.25,937.01)
  Top w13.78: 2976.38,-637.8 2989.37,-637.8 J2.193@2989.37,-618.11 ; J2.192@2977.56,-295.28 2977.56,-346.46 2988.19,-346.46 3001.18,-346.46 J2.194@3001.18,-295.28
  Top w19.68: R37.2@-2208.66,1078.74 R38.2@-2157.48,1078.74 ; FB1.1@-2181.1,1122.05 -2171.26,1122.05 -2157.48,1108.27 R38.2@-2157.48,1078.74 ; v1(-2092.52,606.3) -2110.24,624.02 -2110.24,846.46 -2129.92,866.14 -2129.92,1070.87 -2137.8,1078.74 R38.2@-2157.48,1078.74 ; R26.1@-1561.02,564.96 C13.1@-1523.62,564.96 -1425.2,564.96 -1403.54,586.61 R39.2@-1403.54,616.14 R40.2@-1344.49,616.14 -1330.71,616.14 -1312.99,633.86 -1312.99,801.18 -1344.49,832.68 v1(-1344.49,937.01) ; v1(-1307.09,937.01) FB3.1@-1307.09,1013.78 ; v1(-1098.43,-1933.07) R46.1@-1098.43,-1915.35 -1098.43,-1895.67 -1112.2,-1881.89 -1828.74,-1881.89 -1903.54,-1956.69 -2037.4,-1956.69 -2155.51,-1838.58 -2155.51,-1253.94 -2017.72,-1116.14 -1519.68,-1116.14 -954.72,-551.18 330.71,-551.18 480.32,-401.57 531.5,-401.57 557.09,-427.17 1716.54,-427.17 1738.19,-405.51 v1(1816.93,-405.51) ; v1(-919.29,-1933.07) R43.1@-919.29,-1915.35 ; v1(-793.31,937.01) -793.31,968.5 -708.66,1053.15 FB2.1@-438.98,1053.15 ; C23.1@2405.51,1234.25 v1(2405.51,1255.91) R34.1@2405.51,1275.59 ; v1(2411.42,-765.75) v1(2570.87,-765.75) ; FB4.1@2580.71,-1757.87 2602.36,-1736.22 v1(2602.36,-1734.25) v1(2602.36,-1708.66) FB5.1@2602.36,-1681.1 ; v1(2671.26,427.17) 3147.64,427.17 3179.13,458.66 v1(3179.13,665.35) 3204.72,690.94 C164.1@3226.38,690.94 ; v1(2755.91,-742.13) 2852.36,-742.13 2889.76,-704.72 2958.66,-704.72 2980.32,-683.07 2980.32,-618.11 ; R173.1@3336.61,824.8 v1(3356.3,824.8) ; C163.1@3482.28,708.66 v1(3482.28,732.28)
  Top w27.56: FB7.1@2574.8,-1163.39 2574.8,-1053.15 v1(2620.08,-1007.87) 2653.54,-1007.87 2751.97,-1106.3 2751.97,-1283.46 2834.65,-1366.14 v1@3059.06,-1366.14 ; v1(3059.06,-1364.17) v1@3059.06,-1366.14 ; C8.1@3080.71,-1393.7 v1@3059.06,-1366.14
  Top w39.37: v1(-2070.87,-198.82) v1(-2019.68,-198.82) v1(-1368.11,-198.82) v1(-1316.93,-198.82) ; 2976.38,-637.8 2976.38,-622.05 2976.38,-486.22 2988.19,-474.41 2988.19,-346.46 v1(2988.19,-246.06) 2989.18,-245.07 2989.18,-221.47 v1(2988.19,-220.47) v1(2988.19,-196.85) v1(2988.19,-171.26)
  Top w59.06: -608.27,893.7 -588.58,893.7 -582.68,893.7 490.16,893.7 879.92,1283.46 v1(1929.13,1283.46) v1(1956.69,1283.46)
  Bottom w7.87: -608.27,893.7 v1(-608.27,913.39) ; v1(-582.68,874.02) -582.68,893.7 ; -522.58,893.7 -505.91,877.03 v1(-505.91,874.02) ; v1(2602.36,-1734.25) 2602.36,-1720.47 v1(2602.36,-1708.66)
  Bottom w19.68: v1(-1098.43,-1933.07) v1(-919.29,-1933.07) ; v1(1816.93,-405.51) 1846.46,-435.04 1846.46,-521.65 1868.11,-543.31 2334.65,-543.31 2411.42,-620.08 v1(2411.42,-765.75) 2411.42,-799.21 v1(2620.08,-1007.87) ; v1(1956.69,1283.46) 1958.66,1285.43 1958.66,1309.06 v1(1984.25,1334.65) 2011.81,1362.2 2299.21,1362.2 v1(2405.51,1255.91) ; v1(2570.87,-765.75) 2732.28,-765.75 v1(2755.91,-742.13) ; v1(3179.13,665.35) 3194.88,649.61 3429.13,649.61 3482.28,702.76 v1(3482.28,732.28) 3482.28,773.62 3431.1,824.8 v1(3356.3,824.8)
  Bottom w23.62: CON1.1@-2090.55,-52.76 -2041.34,-3.54 -2041.34,108.27 -2055.12,122.05 -2080.71,122.05
  Bottom w27.56: CON1.1@-2090.55,-52.76 -2141.73,-1.57 -2141.73,106.3 -2125.98,122.05 -2092.52,122.05 -2080.71,122.05
  Bottom w31.5: 2602.36,-1720.47 2740.16,-1720.47 2775.59,-1755.91 2966.54,-1755.91 3124.02,-1598.43 3124.02,-1403.54 v1(3084.65,-1364.17) v1(3059.06,-1364.17)
  Bottom w39.37: CON1.1@-2090.55,-52.76 -2090.55,-179.13 v1(-2070.87,-198.82) v1(-2019.68,-198.82) ; v1(-1368.11,-198.82) -1314.17,-198.82 -1290.55,-175.2 CON1.17@-1290.55,-52.76 ; v1(1956.69,1283.46) 1956.69,970.47 2061.02,866.14 2232.28,866.14 v1(2671.26,427.17) 2988.19,110.24 v1(2988.19,-246.06)
  Bottom w59.06: -2092.52,122.05 v1(-2092.52,606.3) -1761.81,937.01 v1(-1734.25,937.01) v1(-1344.49,937.01) v1(-1307.09,937.01) v1(-793.31,937.01) -659.45,937.01 -616.14,893.7 -608.27,893.7 -582.68,893.7 -522.58,893.7
  other v1: -2045.28,-198.82 -1342.52,-198.82 -557.09,874.02 -531.5,874.02 -582.68,913.39 -557.09,913.39 -531.5,913.39 -505.91,913.39 1984.25,1283.46 1929.13,1309.06 1956.69,1309.06 1984.25,1309.06 1929.13,1334.65 1956.69,1334.65
VCC_CAM0: C36.1 C37.1 FB2.2 J7.1 | length 424.4
  Top w19.68: FB2.2@-407.48,1053.15 C36.1@-407.48,1090.55 -372.05,1090.55 C37.1@-364.17,1082.68 -364.17,1240.16 -326.77,1277.56 -257.87,1277.56 -248.03,1287.4 J7.1@-248.03,1334.65
VCC_CAM1: C38.1 C39.1 FB3.2 J8.1 | length 412.5
  Top w7.87: C38.1@-1338.58,1051.18 C38.1@-1338.58,1053.15
  Top w19.68: FB3.2@-1338.58,1013.78 -1338.58,1051.18 C39.1@-1338.58,1100.39 -1338.58,1244.09 -1309.06,1273.62 -1238.19,1273.62 -1222.44,1289.37 J8.1@-1222.44,1334.65
VCC_LDO5V: P4.1 R155.1 | length 43.3
  Top w19.68: R155.1@2954.72,1366.14 v1(2954.72,1385.83)
  Bottom w19.68: v1(2954.72,1385.83) P4.1@2954.72,1409.45
VCC_MIPI: C34.1 C35.1 FB1.2 J6.1 J6.2 | length 436.3
  Top w19.68: C35.1@-2251.97,1072.83 C34.1@-2251.97,1122.05 ; FB1.2@-2212.6,1122.05 C34.1@-2251.97,1122.05 ; J6.1@-2204.72,1334.65 -2204.72,1283.46 -2212.6,1275.59 ; J6.2@-2165.35,1334.65 -2165.35,1287.4 -2177.17,1275.59 -2212.6,1275.59 ; C34.1@-2251.97,1122.05 -2251.97,1263.78 -2240.16,1275.59 -2212.6,1275.59
VDD18CORE: C47.1 C48.1 C49.1 U10.15 U10.38 | length 1502.6
  Top w9.84: C48.1@2021.65,-1653.54 2061.03,-1614.17 U10.15@2107.98,-1614.17 ; U10.38@2455.02,-1535.43 2505.91,-1535.43 2517.72,-1547.24 C49.1@2547.24,-1547.24
  Top w19.68: C48.1@2021.65,-1653.54 2021.65,-1746.06 C47.1@2009.84,-1757.87 2043.31,-1757.87 2053.15,-1767.72 2053.15,-1897.64 2074.8,-1919.29 2557.09,-1919.29 2663.39,-1812.99 2663.39,-1614.17 2625.98,-1576.77 2559.06,-1576.77 2547.24,-1564.96 C49.1@2547.24,-1547.24
VDD18ETHPLL: C57.1 FB6.2 U10.48 | length 131.6
  Top w7.87: U10.48@2455.02,-1338.58 2547.24,-1338.58 C57.1@2547.24,-1340.55 FB6.2@2547.24,-1303.15
VDD18USBPLL: C56.1 FB6.1 U10.62 | length 490.6
  Top w7.87: U10.62@2173.23,-1312.7 v1(2173.23,-1287.4) ; FB6.1@2578.74,-1303.15 v1(2578.74,-1281.5) C56.1@2578.74,-1263.78
  Bottom w7.87: v1(2173.23,-1287.4) 2194.88,-1309.06 2551.18,-1309.06 v1(2578.74,-1281.5)
XTALIN: C74.1 R81.2 U10.61 Y1.3 | length 359.7
  Top w7.87: Y1.3@2104.33,-1035.43 2100.39,-1035.43 2072.83,-1062.99 2072.83,-1110.24 2086.61,-1124.02 C74.1@2116.14,-1124.02 2153.54,-1161.42 R81.2@2153.54,-1198.82 2153.54,-1234.25 2192.92,-1273.62 U10.61@2192.92,-1312.7
XTALOUT: C73.1 R81.1 U10.60 Y1.1 | length 398.3
  Top w7.87: Y1.1@2190.95,-968.51 2187,-968.51 2147.64,-1007.87 2147.64,-1110.24 2161.42,-1124.02 C73.1@2173.23,-1124.02 2185.04,-1135.83 R81.1@2185.04,-1198.82 2185.04,-1236.22 2212.6,-1263.78 U10.60@2212.6,-1312.7
YE-: JP1.14 R82.2 | length 1025.8
  Top w7.87: JP1.14@754.53,-1892.13 832.87,-1970.47 1728.35,-1970.47 R82.2@1742.13,-1984.25
pads on no net: CN14A1.14 CN14A1.15 H108.1 H109.1 H110.1 H111.1 H112.1 H113.1 H114.1 H115.1 J2.52 J2.54 J2.58 J2.60 J2.64 J2.66 J2.70 J2.72 J2.76 J2.82 J2.93 J2.95 J2.99 J2.101 J2.105 J2.106 J2.107 J2.108 J2.112 J2.114 J2.135 J2.137 J2.141 J2.143 J2.166 J2.179 J2.205 J2.206 J3.14 J4.10 J4.11 J4.12 J4.13 J6.16 J6.17 J6.18 J6.19 J6.20 J6.21 J6.22 J6.23 J6.24 J6.25 J6.26 J6.27 J6.28 J6.29 J6.30 J7.16 J7.17 J7.18 J7.19 J7.20 J7.21 J7.22 J7.23 J7.24 J7.25 J7.26 J7.27 J7.28 J7.29 J7.30 J8.16 J8.17 J8.18 J8.19 J8.20 J8.21 J8.22 J8.23 J8.24 J8.25 J8.26 J8.27 J8.28 J8.29 J8.30 J18.A7 J18.B5 J18.B6 J18.B17 J18.C1 J18.C2 JP1.17 JP1.18 M1.1 M2.1 M3.1 M4.1 M5.1 M6.1 M7.1 M8.1 R8.2 U6.4 U7.4 U10.8 U10.9 U10.13 U10.18 U10.23 U10.24 U10.25 U10.26 U10.31 U10.35 U10.36 U10.37 U10.42 U10.43 U10.45 U10.47 U27.4 U27.12

## Polygon pours and split planes (outlines as drawn)
5V_OUT on Power (solid, remove dead copper, pour order 7): 1228.35,1435.04 2476.38,1435.04 2476.38,407.48 2716.54,167.32 2716.54,-604.33 3074.8,-962.6 3074.8,-1110.24 2572.83,-1110.24 2104.33,-641.73 2104.33,1114.17 1385.83,1114.17 1228.35,1271.65
GND on Power (solid, remove dead copper, pour order 6): 1923.23,1442.91 1222.44,1442.91 1222.44,1269.69 1383.86,1108.27 2098.43,1108.27 2098.43,-645.67 2568.9,-1116.14 2897.64,-1116.14 2897.64,-1820.87 3848.43,-1820.87 3848.43,1374.02 3781.5,1440.94 1933.07,1440.94 1933.07,1501.97 4003.94,1501.97 4003.94,-2179.13 -2448.82,-2179.13 -2448.82,1501.97 1923.23,1501.97
VCC12V on Power (solid, remove dead copper, pour order 5): 2986.22,1433.07 3777.56,1433.07 3840.55,1370.08 3840.55,-1812.99 2903.54,-1812.99 2903.54,-1118.11 3086.61,-1118.11 3086.61,-962.6 3391.73,-962.6 3391.73,523.62 3253.94,523.62 2986.22,791.34
SYS_5V on Power (solid, remove dead copper, pour order 2): 2724.41,-600.39 3074.8,-950.79 3383.86,-950.79 3383.86,513.78 3253.94,513.78 2978.35,789.37 2978.35,1431.1 2484.25,1431.1 2484.25,417.32 2724.41,177.17
GND on Power (solid, remove dead copper, pour order 0): 1901.57,1501.97 1946.85,1501.97 1946.85,1440.94 1901.57,1440.94
GND on GND (solid, remove dead copper, pour order 1): -2509.84,1549.21 3929.13,1549.21 3929.13,-2165.35 -2509.84,-2165.35
GND on Top (solid, remove dead copper, pour order 3): -2539.37,1564.96 3929.13,1564.96 3929.13,-2196.85 -2539.37,-2196.85
GND on Bottom (solid, remove dead copper, pour order 4): -2641.73,1704.72 4017.72,1704.72 4017.72,-2301.18 -2641.73,-2301.18

## Keep-outs
Top:
  region: 1263.78,-578.74 1480.32,-578.74 1480.32,-557.09 1263.78,-557.09 1263.78,-578.74
  region: -1724.41,850.39 -1692.91,850.39 -1692.91,842.52 -1724.41,842.52 -1724.41,850.39
  region: 3019.69,-1490.16 3078.74,-1490.16 3078.74,-1564.96 3019.69,-1564.96 3019.69,-1490.16
  region: 277.56,-456.69 250,-456.69 250,-450.79 277.56,-450.79 277.56,-456.69
  region: 562.99,-576.77 984.25,-576.77 984.25,-568.9 562.99,-568.9 562.99,-576.77
  region: 299.21,-366.14 305.12,-366.14 305.12,-442.91 299.21,-442.91 299.21,-366.14
  region: -1677.17,185.04 -1667.32,185.04 -1667.32,230.32 -1677.17,230.32 -1677.17,185.04
  region: -1712.6,557.09 -1734.25,557.09 -1734.25,403.54 -1712.6,403.54 -1712.6,557.09
  region: 2092.52,-1297.24 2470.47,-1297.24 2470.47,-1677.17 2092.52,-1677.17 2092.52,-1297.24
  region: -1866.14,767.72 -1854.33,767.72 -1854.33,690.94 -1866.14,690.94 -1866.14,767.72
  region: 3610.24,-1370.08 3610.24,-1588.58 3814.96,-1588.58 3814.96,-1370.08 3610.24,-1370.08
  region: 2196.85,-1108.27 2250,-1108.27 2250,-1118.11 2196.85,-1118.11 2196.85,-1108.27
  region: -507.87,-1685.04 -433.07,-1685.04 -433.07,-1675.2 -507.87,-1675.2 -507.87,-1685.04
  region: 2297.24,-1183.07 2261.81,-1183.07 2261.81,-1188.98 2297.24,-1188.98 2297.24,-1183.07
  region: 374.02,-450.79 383.86,-450.79 383.86,-490.16 374.02,-490.16 374.02,-450.79
  region: 2102.36,-1108.27 2143.7,-1108.27 2143.7,-1116.14 2102.36,-1116.14 2102.36,-1108.27
  region: 2937.01,1220.47 2927.17,1220.47 2927.17,1255.91 2937.01,1255.91 2937.01,1220.47
  region: 2114.17,1326.77 2035.43,1326.77 2035.43,1167.32 2114.17,1167.32 2114.17,1326.77
  region: 2568.9,-1411.42 2557.09,-1411.42 2557.09,-1564.96 2568.9,-1564.96 2568.9,-1411.42
  region: 2377.95,-1183.07 2452.76,-1183.07 2452.76,-1190.94 2377.95,-1190.94 2377.95,-1183.07
  region: 2653.54,1421.26 2870.08,1421.26 2870.08,1214.57 2653.54,1214.57 2653.54,1421.26
  region: -1868.11,590.55 -1852.36,590.55 -1852.36,435.04 -1868.11,435.04 -1868.11,590.55
  region: 275.59,-330.71 248.03,-330.71 248.03,-322.83 275.59,-322.83 275.59,-330.71
  region: 1694.88,-576.77 1728.35,-576.77 1728.35,-566.93 1694.88,-566.93 1694.88,-576.77
Bottom:
  region: 639.76,-553.15 925.2,-553.15 925.2,-539.37 639.76,-539.37 639.76,-553.15
  region: 1240.16,-553.15 1466.54,-553.15 1466.54,-543.31 1240.16,-543.31 1240.16,-553.15
Keep-Out Layer:
  the board outline again, w3.94

## Other copper
Top:
  region net VCC_3V3: 1877.95,1222.44 1877.95,1047.24 2057.09,1047.24 2057.09,1326.77 2064.96,1334.65 2082.68,1334.65 2082.68,1377.95 1895.67,1377.95 1895.67,1240.16 1877.95,1222.44
  region net SYS_5V: 2564.96,1419.29 2564.96,1175.2 2720.47,1175.2 2720.47,1419.29 2564.96,1419.29
  region net 5V_OUT: 2393.7,1425.2 2521.65,1425.2 2521.65,1346.46 2393.7,1346.46 2393.7,1425.2
  region net VCC3V3_PCIE: 3767.72,-1169.29 3655.51,-1169.29 3655.51,-1421.26 3767.72,-1421.26 3767.72,-1169.29
  region net VCC12V: 3519.69,-1496.06 3468.5,-1496.06 3431.1,-1533.46 3309.06,-1533.46 3309.06,-1472.44 3314.96,-1466.54 3328.74,-1466.54 3334.65,-1460.63 3334.65,-1385.83 3435.04,-1385.83 3435.04,-1448.82 3466.54,-1480.31 3519.69,-1480.31 3519.69,-1496.06
  region net VCC5V0_USB1: 1620.08,-1828.74 1692.91,-1828.74 1692.91,-1877.95 1620.08,-1877.95 1620.08,-1828.74
  region net 5V_OUT: 1330.71,1375.98 1368.11,1375.98 1368.11,1435.04 1330.71,1435.04 1330.71,1375.98
  region net SYS_5V: 3000,-728.35 2899.61,-728.35 2899.61,-856.3 3000,-856.3 3000,-728.35
  region net VCC12V_DCIN: 3521.65,1431.1 3183.07,1431.1 3183.07,1344.49 3521.65,1344.49 3521.65,1431.1
  region net VCC_3V3: -637.8,923.23 -588.58,923.23 -588.58,864.17 -637.8,864.17 -637.8,923.23
  region net SYS_5V: -875.98,-1494.09 -1005.91,-1494.09 -1005.91,-1602.36 -875.98,-1602.36 -875.98,-1494.09
  region net VCC12V: 2937.01,1200.79 3007.87,1200.79 3025.59,1218.5 3025.59,1267.72 3062.99,1267.72 3062.99,1135.83 3027.56,1135.83 2974.41,1188.98 2937.01,1188.98 2937.01,1200.79
  region net VCC12V: 3037.4,1088.58 3157.48,1088.58 3157.48,1293.31 3037.4,1293.31 3037.4,1088.58
  region net VCC12V_DCIN: 3324.8,1431.1 3525.59,1431.1 3525.59,1320.87 3324.8,1320.87 3324.8,1431.1
  region net 5V_IN: 3055.12,-856.3 3015.75,-856.3 3015.75,-694.88 3055.12,-694.88 3055.12,-856.3
  region net N18013924: 2232.28,1250 2185.04,1250 2177.17,1257.87 2177.17,1326.77 2114.17,1326.77 2114.17,1169.29 2232.28,1169.29 2232.28,1250
  region net N18118104: 2952.76,1208.66 2824.8,1208.66 2820.87,1212.6 2820.87,1375.98 2895.67,1375.98 2895.67,1228.35 2903.54,1220.47 2952.76,1220.47 2952.76,1208.66
  region net 5V_IN: 3110.24,-255.91 3041.34,-255.91 3041.34,-720.47 3110.24,-789.37 3110.24,-255.91
  region net VCC5V0_USB1: -1005.91,-1340.55 -702.76,-1340.55 -702.76,-1470.47 -1005.91,-1470.47 -1005.91,-1340.55
  region net VCC_1V8: 1836.61,990.16 1781.5,990.16 1781.5,1202.76 1836.61,1202.76 1836.61,990.16
  region net POWER4: -683.07,-1478.35 -683.07,-1675.2 -669.29,-1688.98 -572.83,-1688.98 -572.83,-1478.35 -683.07,-1478.35
  region net SYS_5V: 2348.43,1251.97 2295.28,1251.97 2295.28,1110.24 2397.64,1110.24 2397.64,1210.63 2354.33,1210.63 2348.43,1216.54 2348.43,1251.97
  region net 5V_OUT: -842.52,899.61 -718.5,899.61 -718.5,840.55 -842.52,840.55 -842.52,899.61
  region net N18204497: 3204.72,1155.51 3409.45,1155.51 3409.45,1287.4 3204.72,1287.4 3204.72,1155.51
  region net VCC_3V3: 2586.61,-1661.42 2616.14,-1661.42 2616.14,-1767.72 2570.87,-1767.72 2570.87,-1746.06 2574.8,-1746.06 2586.61,-1734.25 2586.61,-1661.42
  region net SYS_5V: 1561.02,1202.76 1665.35,1202.76 1665.35,992.13 1561.02,992.13 1561.02,1202.76
  region net VBUS: 2840.55,-1775.59 2885.83,-1775.59 2889.76,-1779.53 2998.03,-1779.53 2998.03,-1805.12 3027.56,-1834.65 3027.56,-1935.04 3011.81,-1935.04 2952.76,-1875.98 2840.55,-1875.98 2840.55,-1775.59
  region net N18193318: 3501.97,-1503.94 3812.99,-1503.94 3812.99,-1592.52 3572.83,-1592.52 3553.15,-1572.83 3553.15,-1535.43 3533.46,-1515.75 3501.97,-1515.75 3501.97,-1503.94
  region net VCC_2V5: 1468.5,1202.76 1521.65,1202.76 1521.65,978.35 1468.5,978.35 1468.5,1202.76
  region net VCC_3V3: 3049.21,-1456.69 3108.27,-1456.69 3108.27,-1350.39 3049.21,-1350.39 3049.21,-1456.69
  region net POWER3: 1718.5,-1771.65 1805.12,-1771.65 1805.12,-1946.85 1718.5,-1946.85 1718.5,-1771.65
  region net VCC_2V5: 2834.65,37.4 2952.76,37.4 2952.76,-33.46 2834.65,-33.46 2834.65,37.4
  region net 5V_IN: 3029.53,-854.33 3031.5,-856.3 3129.92,-856.3 3129.92,-659.45 3029.53,-659.45 3029.53,-854.33
  region net VCC5V0_USB1: 1643.7,-1618.11 1694.88,-1618.11 1694.88,-1685.04 1643.7,-1685.04 1643.7,-1618.11
  region net VCC12V: 3064.96,1293.31 3064.96,1198.82 3025.59,1198.82 3025.59,1293.31 3064.96,1293.31
  region net VCC12V: 3066.93,1293.31 3037.4,1293.31 3037.4,1088.58 3066.93,1088.58 3066.93,1293.31
  region net POWER4: -683.07,-1407.48 -639.76,-1407.48 -639.76,-1513.78 -683.07,-1513.78 -683.07,-1407.48
  region net SYS_5V: 1561.02,1096.46 1561.02,787.4 1580.71,767.72 2305.12,767.72 2397.64,860.24 2397.64,1151.57 2295.28,1151.57 2295.28,1007.87 2214.57,927.17 1720.47,927.17 1665.35,982.28 1665.35,1096.46 1561.02,1096.46
  region net POWER2: 1805.12,-1734.25 1710.63,-1734.25 1710.63,-1555.12 1805.12,-1555.12 1805.12,-1734.25
Power:
  region net VCC12V: 2921.26,-1224.41 3013.78,-1224.41 3013.78,-1318.9 2921.26,-1318.9 2921.26,-1224.41
  region net VCC12V: 3667.32,-188.98 3738.19,-188.98 3738.19,-269.68 3667.32,-269.68 3667.32,-188.98
  region net VCC12V: 3407.48,-187.01 3482.28,-187.01 3482.28,-261.81 3407.48,-261.81 3407.48,-187.01
  region net 5V_OUT: 2921.26,-921.26 2921.26,-1007.87 3001.97,-1007.87 3001.97,-921.26 2921.26,-921.26
  region net VCC12V: 3590.55,-147.64 3661.42,-147.64 3661.42,-297.24 3590.55,-297.24 3590.55,-147.64
  region net VCC12V: 3494.09,-147.64 3564.96,-147.64 3564.96,-216.54 3494.09,-216.54 3494.09,-147.64
Bottom:
  region net VCC3V3_PCIE: 3675.2,122.05 3828.74,122.05 3840.55,110.24 3840.55,-1145.67 3765.75,-1220.47 3659.45,-1220.47 3659.45,-1129.92 3742.13,-1047.24 3742.13,-37.4 3724.41,-19.68 3675.2,-19.68 3675.2,122.05
  region net VCC_3V3: -572.83,923.23 -492.13,923.23 -492.13,864.17 -572.83,864.17 -572.83,923.23
  region net VCC_1V8: 1834.65,1092.52 1785.43,1092.52 1785.43,1009.84 1834.65,1009.84 1834.65,1092.52
  region net VCC5V0_USB1: -755.91,-1393.7 -698.82,-1393.7 -698.82,-1478.35 -755.91,-1478.35 -755.91,-1393.7
  region net VCC3V3_PCIE: 3704.72,-1220.47 3661.42,-1220.47 3661.42,-1161.42 3704.72,-1161.42 3704.72,-1220.47
  region net VCC5V0_USB1: 1620.08,-1824.8 1675.2,-1824.8 1675.2,-1885.83 1655.51,-1905.51 1620.08,-1905.51 1620.08,-1824.8
  region net VCC5V0_USB1: 1643.7,-1616.14 1692.91,-1616.14 1692.91,-1875.98 1663.39,-1905.51 1643.7,-1905.51 1643.7,-1616.14
  region net SYS_5V: 1561.02,994.09 1659.45,994.09 1659.45,1070.87 1561.02,1070.87 1561.02,994.09
  region net VCC_2V5: 1470.47,1090.55 1470.47,1033.46 1493.11,1010.83 1519.69,1010.83 1519.69,1090.55 1470.47,1090.55
  region net 5V_OUT: -755.91,899.61 -716.54,899.61 -716.54,840.55 -755.91,840.55 -755.91,899.61
  region net SYS_5V: 2295.28,1198.82 2559.06,1198.82 2564.96,1204.72 2564.96,1401.57 2714.57,1401.57 2714.57,1074.8 2663.39,1023.62 2295.28,1023.62 2295.28,1198.82
  region net SYS_5V: -980.31,-1529.53 -980.31,-1578.74 -935.04,-1578.74 -935.04,-1529.53 -980.31,-1529.53
  region net VCC_3V3: 1919.29,1346.46 1994.09,1346.46 1994.09,1259.84 1919.29,1259.84 1919.29,1346.46

## Silkscreen, mask and mechanical layers (free items; w line width, h text height)
Silkscreen Top:
  drawing of 39808 lines, arcs and shapes, not listed
  text "1" at -2211.42,1401.57 h29.53
  text "1" at -1229.13,1401.57 h29.53
  text "CSI1" at -1018.5,1401.57 h29.53
  text "1" at -256.69,1401.57 h29.53
  text "DSI" at -1939.76,1399.61 h29.53
  text "CSI0" at -40.16,1399.61 h29.53
  text "DC 12V" at 3531.5,954.72 h29.53
  text "TF" at -1818.9,891.73 h29.53 r90
  text "POWER KEY" at 3543.31,643.7 h29.53
  text "TX" at -1759.84,248.03 h29.53 r90
  text "RX" at -1669.29,246.06 h29.53 r90
  text "Radxa CM3S IO Board" at -1200.79,187.01 h49.21
  text "5V" at -2106.3,161.42 h29.53
  text "5V" at -2017.72,159.45 h29.53
  text "GND" at -1915.35,157.48 h29.53
  text "V1.51" at -795.28,122.05 h29.53
  text "3.3V" at -2062.99,-312.99 h29.53 r90
  text "PCIE" at 3301.18,-381.89 h29.53 r90
  text "POE" at -90.55,-425.2 h29.53
  text "5V" at 2775.59,-986.22 h29.53
  text "GND" at 2759.84,-1082.68 h29.53
  text "SATA" at 3328.74,-1129.92 h29.53 r90
  text "3V3" at 1015.75,-1131.89 h29.53
  text "1V8" at 1198.82,-1149.61 h29.53
  text "GND" at 2765.75,-1185.04 h29.53
  text "Ethernet" at 620.08,-1273.62 h29.53
  text "12V" at 2769.69,-1289.37 h29.53
  text "1V8" at 1204.72,-1444.88 h29.53
  text "USB2.0" at 1537.4,-1454.72 h29.53
  text "3V3" at 994.09,-1460.63 h29.53
  text "USB2.0" at -338.58,-1494.09 h29.53
  text "USB_OTG" at 2669.29,-1927.17 h29.53
  text "HDMI" at -1872.05,-1986.22 h29.53 r90
Drill Drawing:
  lines w3.94: 3687.01,1232.28 3687.01,1293.31 3750,1293.31 3750,1232.28 3687.01,1232.28
Layer_119:
  drawing of 5535 lines, arcs and shapes, not listed
  text "J3" at 252.45,-1394.66 h9.84